# KiCad board Lime_RFE.kicad_pcb (continued)
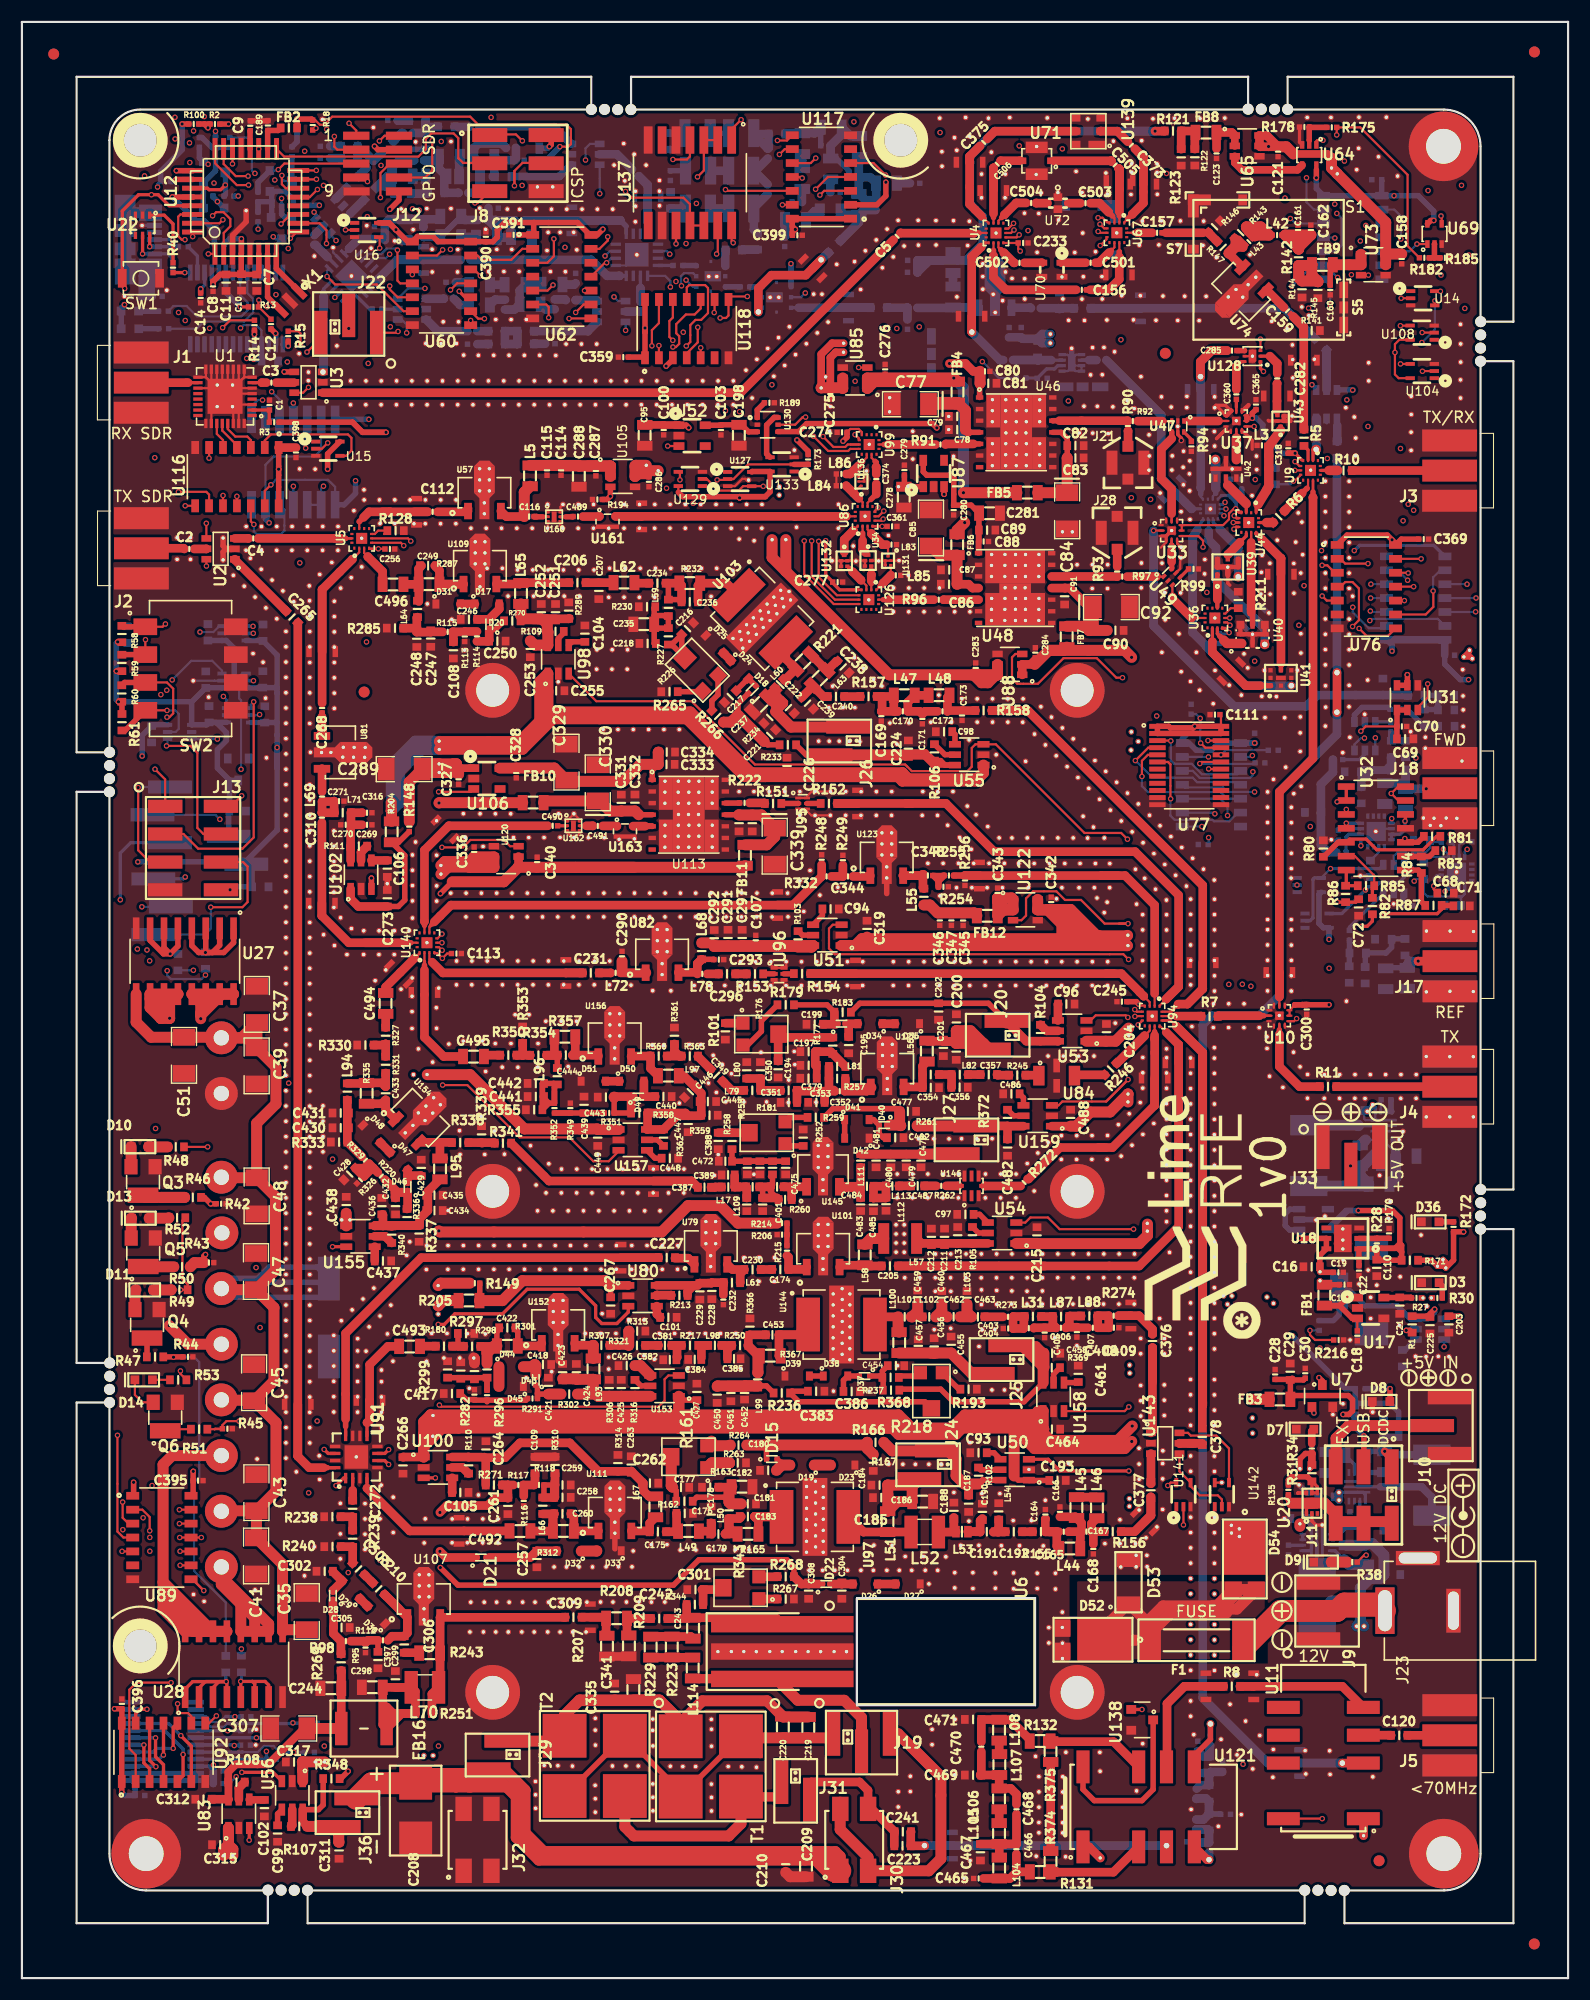
[diagram p0: board, top side]
## Routing (per net, layer and track width the routed paths; a pad name or vN(x,y) marks a point on that pad's centre or on a via; arc(x,y) is an arc through that point) (continued)
/GPIO_Subsystem/GPIO1_LS: length 20
  T w0.2: v1(20.05,107.89) 19.09,106.93 J13.8
  SIG1 w0.2: v1(21.09,123.36) 19.93,123.36 19.43,122.86 19.43,109.52 20.05,108.91 v1(20.05,107.89)
  B w0.2: U24.4 20.47,123.36 v1(21.09,123.36)
/GPIO_Subsystem/GPIO2: length 173.3
  T w0.2: v1(13.98,167.83) 13.97,167.82 ; v1(28.51,168.06) 28.51,167.13 28.78,166.85 J12.3 ; R44.2 13.87,56.69 v1(13.84,56.66) 13.8,56.69 R47.2
  T w0.5: R47.2 R44.2
  SIG1 w0.2: v1(13.98,167.83) 13.98,166.8 12.84,165.66 12.84,155.12 12.53,154.81 12.53,153.72 12.84,153.42 12.84,125.39 12.32,124.87 12.32,117.49 v1(12.68,117.12) 12.68,57.82 v1(13.84,56.66)
  SIG2 w0.2: v1(13.98,167.83) 14.21,168.06 15.56,168.06 16.17,167.45 20.85,167.45 21.23,167.83 28.28,167.83 v1(28.51,168.06) ; v1(12.68,117.12) 13.08,116.72 16.01,116.72 16.59,116.14 17.57,116.14 v1(18.39,116.96)
  B w0.2: v1(13.84,56.66) 15.73,56.66 16.18,56.21 16.18,45.71 15.71,45.24 15.71,37.17 18.6,34.28 R56.2 ; 18.67,116.67 v1(18.39,116.96) 18.67,116.67 ; 18.67,116.67 U25.3
/GPIO_Subsystem/GPIO2_LS: length 22.1
  T w0.2: J13.2 14.74,104.4 16.09,103.06 20.12,103.06 21.15,104.09 v1(21.15,116.47)
  B w0.2: v1(21.15,116.47) 20.87,116.19 U25.4
/GPIO_Subsystem/GPIO3: length 145.8
  T w0.2: 17.6,50.1 17.64,50.13 R45.2 ; 17.6,50.1 17.59,50.09 ; 17.6,50.1 17.59,50.09 ; 17.6,50.1 18.26,50.1 R45.2 ; 17.59,50.09 R51.2 ; R45.2 18.3,50.46 18.66,50.83 v1(19.81,50.83) ; v1(29.82,150.54) 29.82,150.54 J22.2
  SIG1 w0.2: 17.83,112.28 17.83,107.24 17.22,106.63 17.22,105.25 17.83,104.64 17.83,90.54 20.68,87.69 20.68,51.69 v1(19.81,50.83) 20.68,49.96 20.68,30.69 v1(20.03,30.04) ; 17.83,112.28 17.83,141.47 17.14,142.16 17.14,150.54 v1(17.13,150.55) ; 17.83,112.28 v1(17.83,113.07)
  SIG2 w0.2: v1(29.82,150.54) 29.81,150.55 20.93,150.55 20.23,149.85 17.83,149.85 v1(17.13,150.55)
  B w0.2: v1(20.03,30.04) 20.03,30.04 R57.2 ; v1(17.83,113.07) U26.3
/GPIO_Subsystem/GPIO3_CONN: length 33.2
  T w0.2: v1(26.01,148.38) 27.28,149.65 J22.3
  T w0.5: v1(32.17,167.16) 32.48,166.85 J12.4
  SIG1 w0.2: v1(27.81,168.72) 27.81,167.84 26.01,166.04 v1(26.01,148.38)
  SIG2 w0.2: v1(27.81,168.72) 27.97,168.88 29.14,168.88 29.15,168.88 29.85,168.18 32.89,168.18 33.16,167.91 33.16,167.4 32.93,167.16 v1(32.17,167.16)
/GPIO_Subsystem/GPIO3_LS: length 13
  T w0.2: v1(13.2,112.45) 15.37,112.45 16.01,111.81 16.01,104.96 16.56,104.4 J13.7
  B w0.2: v1(13.2,112.45) 13.29,112.54 U26.4
/GPIO_Subsystem/RELAY_0: length 34.4
  T w1: U27.15 U27.14 U27.13 16.32,88.98 16.32,87.88 ; U27.15 U27.16 18.23,89.79 16.32,87.88 ; U27.15 16.32,88.07 16.32,87.88 ; 16.32,87.88 v1(16.32,87.55)
  SIG1 w1: v1(16.32,87.55) 15.99,87.22 15.99,68.68 16.66,68 J16.7
/GPIO_Subsystem/RELAY_1: length 50.1
  T w1: 12.68,87.57 11.7,88.56 U27.10 ; 12.68,87.57 13.46,87.57 v1(13.48,87.59) ; 12.68,87.57 12.68,89.51 U27.11 ; 12.68,87.57 12.68,88.24 U27.12 ; U27.12 13.48,89.04 v1(13.48,87.59) ; U27.12 U27.10 ; v1(13.45,59.55) 15.15,57.84 J16.5 ; U27.10 11.7,89.37 v1(13.48,87.59)
  SIG1 w1: v1(13.48,87.59) 13.45,87.56 v1(13.45,59.55)
/GPIO_Subsystem/RELAY_2: length 48.8
  T w0.5: U28.15 U28.14 ; U28.15 U28.16 ; U28.15 U28.13
  T w1: 12.88,36.14 12.88,46.86 13.71,47.68 J16.3 ; 12.88,36.14 17.38,31.64 U28.13 U28.16 12.88,33.66 12.88,34.39 ; 12.88,36.14 12.88,35.31 ; 12.88,34.39 15.63,31.64 U28.15 ; 12.88,34.39 12.88,35.31 ; 12.88,35.31 16.54,31.64 U28.14
/GPIO_Subsystem/RELAY_3: length 29.5
  T w0.5: 21.25,32.88 18.2,35.93 J16.1 ; U28.12 U28.11
  T w1: 18.2,35.93 21.25,32.88 U28.11 ; 18.2,35.93 J16.1 18.2,36.63 22.52,32.32 U28.10 U28.11 ; 18.2,35.93 19.98,34.15 U28.12 U28.11
/LNA_EN: length 133.2
  T w0.2: R182.1 126.45,158.07 126.45,164.57 122.13,168.89 R175.1 119.98,168.2 v1(119.98,168.2) ; v1(17.01,157.34) 17.02,157.35 U12.1
  SIG1 w0.2: v1(38.27,167.6) 37.53,166.87 37.53,163.99 35.64,162.09 v1(35.64,161.46)
  SIG2 w0.2: v1(38.27,167.6) 39.44,168.78 68.05,168.78 69.02,169.74 74.31,169.74 79.16,164.89 79.55,164.89 80.09,164.35 84.04,164.35 87.59,167.89 98.74,167.89 99.25,168.4 102.32,168.4 103.02,167.7 104.22,167.7 104.72,168.2 v1(119.98,168.2) ; v1(35.64,161.46) 35.61,161.46 34.78,160.62 34.78,159.49 34.34,159.06 31.88,159.06 30.31,157.48 30.31,157.34 27.35,157.34 27.05,157.65 26.1,157.65 25.8,157.34 v1(17.01,157.34)
/MCU/DATA_5V: length 24.4
  T w0.2: v1(27.91,140.1) 27.37,139.56 U15.2 ; v1(27.8,158.29) 27.8,159.5 27.16,160.13 U12.10
  SIG1 w0.2: v1(27.91,140.1) 28.26,140.45 28.26,151.94 27.83,152.37 27.83,154.19 28.42,154.79 28.42,155.68 27.8,156.3 v1(27.8,158.29)
/MCU/DATA_CLK_5V: length 7.1
  T w0.2: v1(29.53,159.53) 29.54,159.52 U16.2 ; v1(24.5,158.77) 25.08,159.34 U12.9
  SIG2 w0.2: v1(24.5,158.77) 25.27,159.53 v1(29.53,159.53)
/MCU/DATA_RESET_5V: length 125.4
  T w0.2: v1(26.84,168.81) 26.68,168.65 R18.1 ; v1(23.65,160.08) 24.52,160.94 U12.11 ; U14.2 v1(125.86,153.29)
  SIG1 w0.2: v1(23.18,153.62) 23.65,154.09 v1(23.65,160.08) 24.42,160.84 24.42,166.39 v1(26.84,168.81)
  SIG2 w0.2: v1(125.86,153.29) 112.64,153.29 110.93,151.58 109.11,151.58 108.03,152.67 107.98,152.62 91.02,152.62 89.42,154.22 88.53,154.22 87.24,152.92 84.39,152.92 84.22,153.1 69.59,153.1 69.38,152.88 23.92,152.88 v1(23.18,153.62)
/MCU/GPIO4_MCU: length 6.4
  T w0.2: v1(23.72,164.5) 23.72,163.7 24.09,163.33 U12.14
  B w0.2: 24.23,164 Q8.D 23.94,164 23.72,164.22 v1(23.72,164.5)
  B w0.5: R186.1 24.63,166.2 Q8.D
/MCU/GPIO5_MCU: length 26.9
  T w0.2: v1(26.97,163.22) 26.27,162.52 U12.13 ; v1(22.93,158.91) 22.93,158.91
  T w0.5: R2.1 17.16,169.19 16.65,169.19 ; 16.65,169.19 v1(16.98,168.85) ; 16.65,169.19 R100.2
  SIG1 w0.2: v1(17.53,163.8) 17.53,167.82 v1(16.98,168.85) ; v1(23.08,164.09) 22.93,163.95 v1(22.93,158.91)
  SIG2 w0.2: 23.94,163.22 21.97,165.19 20.59,165.19 19.49,164.09 17.82,164.09 v1(17.53,163.8) ; 23.94,163.22 v1(23.08,164.09) ; 23.94,163.22 v1(26.97,163.22)
  B w0.2: v1(22.93,158.91) 23.16,158.68 Q7.D
/MCU/MISO: length 30.7
  T w0.2: v1(26.87,164.96) 26.86,164.96 U12.16 ; v1(45.67,167.66) 45.08,168.24 41.78,168.24
  SIG1 w0.2: v1(45.67,167.66) 45.65,167.64 v1(45.65,163.59)
  SIG2 w0.2: v1(45.65,163.59) 45.65,164.29 45.38,164.55 41.09,164.55 40.47,163.93 32.25,163.93 31.63,164.55 31.26,164.55 30.63,163.92 28.32,163.92 27.69,164.55 27.28,164.55 v1(26.87,164.96)
/MCU/MOSI: length 26.3
  T w0.2: v1(26.88,164.15) 26.87,164.15 U12.15 ; 44.95,164.91 v1(44.95,163.56) 44.95,164.91 ; 44.95,164.91 45.68,165.64 47.69,165.64
  SIG2 w0.2: v1(44.95,163.56) 44.36,164.15 41.3,164.15 40.61,163.46 37.74,163.46 37.73,163.47 28.3,163.47 27.62,164.15 v1(26.88,164.15)
/MCU/RESET: length 63.4
  T w0.2: v1(21.62,153.13) 21.58,153.09 R13.2 21.61,152.5 C12.1 ; v1(9.38,154.18) 9.16,154.4 SW1.2 ; 42.69,163.1 41.58,161.99 v1(41.34,161.99)
  T w0.3: U12.29 13.44,161.74 12.43,162.74 v1(11.82,162.74) 10.65,162.74 9.16,161.26 SW1.2
  SIG2 w0.2: v1(11.82,162.74) 12.8,162.74 13.28,163.22 14.77,163.22 15.25,162.73 18.48,162.73 19.38,161.83 25.9,161.83 26.34,162.27 27.33,162.27 27.61,161.99 v1(41.34,161.99) ; v1(9.38,154.18) 9.38,155.01 9.3,155.09 18.17,155.09 20.13,153.13 v1(21.62,153.13)
/MCU/RX: length 1
  T w0.5: v1(24.3,148.93) R15.1
  B w0.5: v1(24.3,148.93) 24.15,149.09 U13.1
/MCU/RX_SW_0_MCU: length 136
  T w0.2: v1(127.81,146.63) 127.83,146.65 U104.2 ; v1(20.68,163.62) 19.61,163.62 17.62,165.61 U12.24 ; v1(20.51,147.8) 20.51,147.81 20.5,147.81
  SIG1 w0.2: v1(20.51,147.8) 20.51,152.88 19.57,153.82 19.57,157.33 20.68,158.45 20.68,160.6 21.37,161.29 21.37,161.9 20.68,162.59 v1(20.68,163.62)
  SIG2 w0.2: 90.37,147.3 113.77,147.3 114.44,146.63 v1(127.81,146.63) ; 90.37,147.3 89.07,147.3 89.03,147.27 ; 90.37,147.3 89.95,147.3 89.41,146.77 78,146.77 77.31,147.45 75.6,147.45 75.53,147.38 70.35,147.38 69.95,147.77 69.54,147.77 68.87,147.11 66.78,147.11 66.17,147.72 59.25,147.72 58.72,148.24 58.72,149.37 58.31,149.78 36.11,149.78 35.99,149.67 23.87,149.67 23.2,149 21.7,149 v1(20.51,147.8)
/MCU/RX_SW_1_MCU: length 127.8
  T w0.2: v1(127.78,150.16) 127.8,150.15 U108.2 ; v1(20.64,164.44) 19.51,164.44 18.41,165.55 U12.23
  SIG1 w0.2: 21.21,163.87 v1(20.64,164.44) ; 21.21,163.87 21.21,162.72 21.78,162.15 21.78,161.19 21.21,160.62 21.21,159.97 21.04,159.8 21.04,152.92 21.44,152.52 v1(22.39,152.52) ; 21.21,163.87 21.21,163.07 21.18,163.04 ; 21.18,163.04 21.18,163.02 21.18,163.04
  SIG2 w0.2: v1(127.78,150.16) 127.29,149.67 114.63,149.67 113.31,151 108.73,151 107.55,152.18 89.61,152.18 89.23,152.57 83.94,152.57 83.77,152.74 69.74,152.74 69.53,152.53 68.58,152.53 67.39,151.34 66.14,151.34 64.97,152.52 v1(22.39,152.52)
/MCU/SCK: length 27.2
  T w0.2: U12.17 23.93,166.22 36.18,166.22 36.86,166.9 36.86,167.84 37.36,168.34 39.39,168.34 39.82,167.91 39.82,166.08 40.26,165.64 44.14,165.64 ; 41.78,165.7 44.21,165.7
/MCU/SCL_MCU: length 9.5
  T w0.5: v1(13.73,162.53) 15.61,162.53 U12.28
  B w0.2: Q1.D 17.5,158.3 R19.1
  B w0.5: R19.1 17.56,159.47 Q1.D 16.65,160.38 15.86,160.38 15.86,160.4 v1(13.73,162.53)
/MCU/SDA_MCU: length 5.4
  T w0.3: v1(18.56,163.63) 18.14,163.2 17.08,163.2 16.94,163.34 U12.27
  B w0.3: v1(18.56,163.63) 18.57,163.63 ; v1(18.56,163.63) 18.57,163.63 ; v1(18.56,163.63) 18.57,163.63
  B w0.5: Q2.D 18.57,162.74 R20.1
/MCU/TX: length 1.3
  T w0.5: v1(21.22,149.99) R14.1
  B w0.5: v1(21.22,149.99) 21.22,149.99 U13.5
/PA_ENn: length 148.6
  T w0.2: v1(15.58,158.92) 15.61,158.95 U12.32
  SIG1 w0.2: 16.29,66.59 15.52,67.37 ; 16.29,66.59 14.95,67.93 14.95,99.19 15.89,100.13 15.89,101.24 15.58,101.55 15.58,117.29 16.5,118.21 16.5,120.02 15.58,120.93 15.58,127.35 16.33,128.1 16.33,134.06 15.58,134.82 15.58,158.91 v1(15.58,158.92) ; 16.29,66.59 16.29,45.82 15.76,45.28 15.76,37.04 19.19,33.61 19.19,26.07 18.81,25.69 18.81,23.57 19.39,22.99 19.39,22.11 18.73,21.46 18.73,21.07 19.55,20.25 v1(19.55,18.38)
  B w0.2: v1(19.55,18.38) 18.92,17.75 R168.1
/PFWDF_DB: length 135.4
  T w0.3: v1(124.36,97.13) 129.15,97.13 129.56,97.54 R87.1
  T w0.5: R87.1 130.6,97.88 C71.1
  SIG2 w0.3: v1(8.98,98.4) 8.99,98.38 28.94,98.38 30.05,97.27 38.81,97.27 39.5,97.96 70.56,97.96 72.85,100.24 76.49,100.24 77.52,99.21 80.55,99.21 81.76,100.43 100.63,100.43 103.33,97.73 109.44,97.73 110.04,97.13 v1(124.36,97.13)
  B w0.3: v1(8.98,98.4) 8.98,102.67 9.93,103.61 J6.1
/PowerSupply/+12EXT: length 40.5
  T w1: 108.61,33.96 109.71,33.96 110.53,34.79 D54.2 ; 108.61,33.96 104.13,33.96 102.94,32.77 F1.1 ; 108.61,33.96 109.03,33.96 D54.2 ; F1.1 98.83,30.83 D52.1 98.78,31.99 D53.1 102.94,32.23 F1.1 ; F1.1 102.94,31.42 104.85,33.33 109.92,33.33 109.92,33.67 110.87,33.67 D54.2 D54.2
/RX_H/BPF920/IN: length 10.2
  T w0.2: 100.9,160.52 100.6,160.22
  T w0.5: 101.32,160.96 101.32,160.95 100.9,160.52
  T w0.79: 101.32,160.95 101.32,160.96 102.35,161.98 102.35,166.16 ; 102.35,166.16 C373.2 ; 102.35,166.16 102.34,166.15 P106.2
/RX_H/BPF1300/IN: length 5.6
  T w0.2: 99.21,157.46 99.7,157.94 99.7,158.32
  T w0.5: 99.21,157.46 99.21,157.46 98.29,156.54 99.4,157.65 99.4,157.65
  T w0.79: 99.21,157.46 98.29,156.54 C501.2
/RX_H/BPF2400/IN: length 10.5
  T w0.1: 100.09,165.14 100.09,165.15 100.15,165.08
  T w0.2: 100.15,160.22 100.15,160.81
  T w0.5: 100.15,161.63 100.15,160.81
  T w0.79: 100.09,165.15 100.15,165.08 100.15,163.27 100.15,163.26 100.15,161.23 100.15,165.07 C505.2 100.16,165.07 P104.2
/RX_H/BPF3500/IN: length 4.1
  T w0.2: 99.52,160.8 99.7,160.62 99.7,160.22
  T w0.5: 98.83,161.48 99.52,160.8
  T w0.79: 98.83,161.48 99.17,161.15 98.35,161.97 C503.2
/RX_H/FSEL_OUT_V1_2V5: length 23.3
  T w0.2: v1(98.41,158.1) 98.97,158.67 98.97,158.87
  SIG2 w0.2: v1(115.76,160.57) 115.39,160.94 100.73,160.94 99.28,159.49 99.28,159.44 99.33,159.49 99.33,159.03 v1(98.41,158.1)
  B w0.2: v1(115.76,160.57) 116.22,160.11 U68.12
/RX_H/FSEL_OUT_V2_2V5: length 30
  T w0.2: v1(98.21,159.39) 98.33,159.27 98.97,159.27 ; v1(119.8,161.88) 119.81,161.89 119.81,161.9
  SIG1 w0.2: 119.8,158.8 v1(119.81,158.79) 119.81,159.48 119.23,160.07 119.23,161.31 v1(119.8,161.88)
  SIG2 w0.2: v1(119.8,161.88) 119.8,161.89 98.54,161.89 97.64,160.99 97.64,159.82 98.07,159.39 v1(98.21,159.39) ; 119.8,158.8 v1(119.81,158.79)
  B w0.2: v1(119.81,158.79) 119.76,158.84 U68.11
/RX_H/FSEL_OUT_V3_2V5: length 28.5
  T w0.2: v1(98.38,160.06) 98.76,159.67 98.97,159.67
  SIG2 w0.2: 117.13,161.04 116.92,161.04 116.4,161.55 99.98,161.55 98.48,160.06 v1(98.38,160.06) ; 117.13,161.04 117.47,161.04 ; 117.13,161.04 v1(119.99,161.04)
  B w0.2: v1(119.99,161.04) 120.42,160.6 120.42,158.1 119.89,157.57 U68.10
/RX_H/LNA_EN_2V5: length 4.4
  T w0.2: v1(127.3,158.24) 127.31,158.24 U69.1
  B w0.2: v1(127.3,158.24) 126.63,157.57 U68.5
/RX_H/LNA_H/LNA_EN: length 13.4
  T w0.2: v1(122.87,155.4) 122.87,155.4 U73.3 ; v1(129.5,160.8) 129.56,160.74 U69.4
  SIG1 w0.2: v1(129.5,155.41) v1(129.5,160.8)
  SIG2 w0.2: v1(129.5,155.41) 129.5,155.4 v1(122.87,155.4)
/RX_H/LNA_H/RF_OUT: length 5.4
  T w0.5: R146.2 108.29,159.27 107.78,159.27 ; C157.2 104.4,159.27
  T w0.79: R147.1 108.31,159.24 R146.2 108.29,159.27 ; 104.4,159.27 107.78,159.27
/RX_H/RF_0_OUT: length 8.7
  T w0.2: 87.81,160.55 U4.11
  T w0.5: 87.81,160.55 87.58,160.78
  T w0.79: 86.48,166.23 C375.1 ; 86.48,166.23 86.48,165.7 P99.2 ; 86.48,166.23 86.48,161.88 87.58,160.78
/RX_H/RF_1_OUT: length 7.6
  T w0.1: 88.67,165.18 88.68,165.18 ; 88.66,161.23 88.66,161.56
  T w0.2: U4.10 88.66,160.66
  T w0.5: 88.66,161.23 88.66,160.66
  T w0.79: 88.68,165.18 88.67,165.18 88.67,163.2 ; C506.1 88.66,165.19 88.66,161.02
/RX_H/RF_2_OUT: length 3.4
  T w0.2: 89.4,160.66 89.11,160.37 U4.9
  T w0.5: 89.4,160.66 89.67,160.92
  T w0.79: 89.67,160.92 89.67,160.92 90.74,161.99 C504.1
/RX_H/RF_3_OUT: length 5.6
  T w0.2: C502.1 90.51,156.53 89.11,157.93 U4.3
  T w0.5: 89.33,157.72 89.33,157.73 90.52,156.53 C502.1
  T w0.79: 89.61,157.44 89.61,157.44 90.53,156.53 C502.1
/RX_H/RF_4_OUT: length 11.2
  T w0.2: 88.66,157.16 88.66,157.16 ; U4.2 88.66,157.67
  T w0.5: 88.66,157.67 88.66,157.16
  T w0.79: 88.66,157.16 88.66,157.16 88.66,155.2 89.79,154.07 96.2,154.07
/RX_H/RF_IN: length 16.8
  T w0.5: R141.1 116.95,150.68 C159.2
  T w0.79: R5.2 116.98,141.34 116.98,145.58 ; 116.98,145.58 116.98,147.57 ; 116.98,145.58 116.98,149.87 ; 116.98,149.87 116.98,150.32 R141.1 116.95,150.68 116.02,151.61 116.98,150.66 116.98,149.87
/RX_L/BPF30/IN: length 5.7
  B w0.7: U134.1 49.05,164.41 44.87,164.41
/RX_L/BPF30/OUT: length 3.2
  B w0.5: 29.98,161.04 31.1,162.16
  B w0.79: 31.1,162.16 29.98,161.04 U38.3
/RX_L/BPF60/IN: length 11.3
  B w0.7: 48.56,168.94 U134.3 48.56,168.94 ; 48.56,168.94 C146.2
/RX_L/BPF60/OUT: length 1.4
  B w0.79: U38.1 28.65,162.39 L30.1
/RX_L/BPF145/IN: length 2.2
  B w0.79: U135.3 52.4,153.13 C497.1 50.7,153.13
/RX_L/BPF145/OUT: length 1.6
  B w0.79: C498.2 38.49,153.25 U93.1
/RX_L/BPF220/IN: length 4.2
  B w0.79: U135.1 51.64,150.29 C145.1
/RX_L/BPF220/OUT: length 4.2
  B w0.79: U93.3 37.96,150.29 C372.1
/RX_L/BPF440/IN: length 14.6
  B w0.3: 55.14,159.87 U59.9
  B w0.5: 54.6,160.41 55.14,159.87
  B w0.79: C499.1 54.6,160.41 54.6,160.4 P88.2
/RX_L/BPF440/OUT: length 3.3
  B w0.3: 29.86,157.82 U58.4
  B w0.79: 29.86,157.82 29.86,157.83 30.72,158.69 C500.2
/RX_L/FSEL_IN_V1_2V5: length 9.9
  T w0.2: v1(27.85,155.28) 28.57,154.55 32.39,154.55 34.83,152.11 U60.6
  B w0.2: U58.1 27.85,155.8 v1(27.85,155.28)
/RX_L/FSEL_IN_V2_2V5: length 7.7
  T w0.2: v1(34.27,157.69) 34.27,154.91 34.52,154.65 U60.4
  B w0.2: v1(34.27,157.69) 34.12,157.83 33.3,157.83 32.79,157.33 31.63,157.33 U58.6
/RX_L/FSEL_IN_V3_2V5: length 7.8
  T w0.2: U60.5 34.28,153.38 33.56,154.11 v1(33.56,154.41)
  SIG1 w0.2: v1(33.56,154.41) 33.56,154.42 v1(33.56,157.31)
  B w0.2: v1(33.56,157.31) 33.2,156.96 32.18,156.96 U58.7
/RX_L/FSEL_IN_V4_2V5: length 9.5
  T w0.2: v1(35.63,155.45) 35.63,155.46 U60.3
  SIG2 w0.2: v1(28.56,153.37) 33.83,153.37 34.26,153.8 34.26,154.79 34.92,155.45 v1(35.63,155.45)
  B w0.2: v1(28.56,153.37) 28.59,153.37 U58.14
/RX_L/FSEL_OUT_V1_2V5: length 16.8
  T w0.2: v1(48.47,154.5) 47.96,153.99 U62.5
  SIG2 w0.2: 53.95,153.91 52.13,153.91 51.54,154.5 v1(48.47,154.5) ; 53.95,153.91 54.19,153.91 ; 53.95,153.91 58.77,153.91 ; 58.77,153.91 v1(59.17,154.32) 58.77,153.91
  B w0.2: v1(59.17,154.32) 59.17,154.86 58.7,155.34 U59.1
/RX_L/FSEL_OUT_V2_2V5: length 3
  T w0.2: U62.11 53.2,156.54 v1(53.36,156.54)
  B w0.2: v1(53.36,156.54) 53.76,156.94 U59.6
/RX_L/FSEL_OUT_V3_2V5: length 6.3
  T w0.2: v1(51.34,153.99) 51.34,153.99 U62.10
  SIG1 w0.2: v1(51.34,153.99) 51.34,156.38 52.11,157.15 v1(53.22,157.15)
  B w0.2: v1(53.22,157.15) 53.65,157.59 U59.7
/RX_L/FSEL_OUT_V4_2V5: length 21.2
  T w0.2: v1(48.07,151.52) 48.07,152.5 47.85,152.72 U62.6
  SIG1 w0.2: v1(49.56,157.94) 47.65,156.04 47.65,153.91 48.07,153.5 v1(48.07,151.52)
  SIG2 w0.2: v1(49.56,157.94) 49.95,158.33 51.6,158.33 52.02,157.92 58.52,157.92 v1(59.12,157.32)
  B w0.2: v1(59.12,157.32) 58.85,157.59 U59.14
/RX_L/LNA_EN_2V5: length 105.5
  T w0.2: U64.1 118.13,167.64 118.2,167.71 v1(118.73,167.71)
  T w0.3: v1(39.91,153.93) 40.45,153.38 U60.10
  SIG1 w0.2: v1(118.73,167.71) 122.14,167.71 122.7,167.15 122.7,161.94 121.32,160.56 v1(121.32,155.44)
  SIG2 w0.2: 75.99,153.45 75.15,154.29 62.29,154.29 61.16,155.43 59.61,155.43 58.47,154.29 52.33,154.29 51.4,155.22 48.51,155.22 47.58,154.29 40.27,154.29 v1(39.91,153.93)
  SIG2 w0.3: 75.15,154.29 75.99,153.45 83.6,153.45 84.39,154.25 85.52,154.25 85.99,154.71 89.98,154.71 90.45,154.24 109.52,154.24 111.62,156.34 120.43,156.34 v1(121.32,155.44)
/RX_L/LNA_L/LNA_EN: length 7.2
  T w0.7: U65.3 110.68,165.66 111.33,165.01 116.4,165.01 U64.4
/RX_L/LNA_L/RF_OUT: length 15.8
  B w0.3: 73.48,152.43 U63.6
  B w0.79: R125.1 75.44,152.43 P95.2 ; R125.1 70.9,152.43 ; R125.1 73.48,152.43
/RX_L/Notch/IN: length 11.5
  T w0.79: TRANS_VIA#10.1 67.21,154.21 68.4,155.4 71.52,155.4 TRANS_VIA#9.1 72.15,156.03 P94.2
  B w0.3: U63.1 67.54,152.38 TRANS_VIA#10.1
  B w0.79: R126.2 73.59,157.47 TRANS_VIA#9.1
/RX_L/Notch/OUT: length 1.5
  B w0.79: U61.1 64.19,157.66 R127.1
/RX_L/NOTCH_2V5: length 43.6
  T w0.2: v1(48.54,158.72) 48.54,157.13 47.95,156.53 U62.3
  SIG1 w0.2: v1(60.19,154.43) 60.43,154.19 61.14,154.19 61.55,154.6 v1(61.55,161.95)
  SIG2 w0.2: v1(60.19,154.43) 60.65,153.97 71.29,153.97 v1(71.49,153.78) ; v1(61.55,161.95) 61.55,161.44 60.96,160.85 55,160.85 54.28,160.12 48.84,160.12 48.56,159.83 48.56,158.73 v1(48.54,158.72)
  B w0.2: v1(71.49,153.78) 71.1,153.38 U63.5 ; v1(60.19,154.43) 60.14,154.48 60.14,155.31 60.43,155.59 61.25,155.59 U61.5
/RX_L/RF_L_IN: length 26.2
  B w0.79: C294.1 115.22,152.38 R119.2 P96.2
/RX_L/RF_L_OUT: length 4.3
  B w0.3: C117.1 27.53,154.14 U58.16
  B w0.5: 27.53,153.43 27.53,153.43 27.53,153.9
  B w0.79: 27.53,153.43 27.53,153.43 27.53,152.22 C117.1
/RX_L/SW1_2V5: length 41.5
  T w0.2: v1(65.63,169.59) 64.77,168.72 U137.1 ; v1(41.84,155.35) 41.26,155.92 U60.12
  SIG1 w0.2: v1(42.82,169.8) 42.82,161.27 41.84,160.29 v1(41.84,155.35)
  SIG2 w0.2: v1(65.63,169.59) 65.42,169.8 57.45,169.8 56.97,169.32 51.1,169.32 50.62,169.8 v1(42.82,169.8)
/RX_L/SW1_A: length 45.7
  T w0.2: v1(59.41,165.96) 60.69,165.96 60.96,166.23 U137.4
  SIG1 w0.2: v1(32.77,165.41) 28.48,165.41 27.99,165.9 26.92,165.9 26.35,165.33 26.35,161.47 v1(26.66,161.15)
  SIG2 w0.2: v1(59.41,165.96) 59.11,165.96 57.67,164.52 53.59,164.52 52.2,165.91 v1(51.43,165.91) 47.27,165.91 47.14,165.78 40.43,165.78 39.84,165.18 38.53,165.18 38.46,165.25 33.48,165.25 33.32,165.41 v1(32.77,165.41)
  B w0.2: U134.4 51.84,167.38 51.43,166.97 v1(51.43,165.91) ; v1(26.66,161.15) 26.79,161.02 U38.6
/RX_L/SW1_B: length 51.2
  T w0.2: v1(61.65,164.37) 62.23,164.95 U137.3 U137.2
  SIG1 w0.2: v1(27.52,163.59) 28.66,162.45 v1(28.66,158.56)
  SIG2 w0.2: 29.51,163.1 33.74,163.1 33.94,162.91 52.66,162.91 v1(52.73,162.84) 53.38,162.19 59.47,162.19 v1(61.65,164.37) ; 29.51,163.1 28.03,163.1 27.89,163.24 ; 29.51,163.1 28.01,163.1 v1(27.52,163.59)
  B w0.2: v1(28.66,158.56) 28.14,159.09 U38.4 ; v1(52.73,162.84) 52.73,162.84 U134.6
/RX_L/SW2_2V5: length 33.7
  T w0.2: v1(63.4,157.33) 63.5,157.44 U137.13 ; v1(39.11,154.06) 39.71,154.65 U60.11
  SIG1 w0.2: v1(39.11,157.75) 39.11,157.75 v1(39.11,154.06)
  SIG2 w0.2: v1(39.11,157.75) 39.59,158.23 48.96,158.23 49.5,158.77 51.93,158.77 52.3,158.4 58.8,158.4 59.87,157.33 v1(63.4,157.33)
/RX_L/SW2_A: length 35
  T w0.2: v1(59.69,158.26) 59.69,158.26 U137.10
  SIG1 w0.2: v1(59.69,154.82) 59.69,154.83 v1(59.69,158.26)
  SIG2 w0.2: v1(36.78,154.19) 37.5,153.47 48.7,153.47 48.98,153.18 52.47,153.18 52.71,153.42 v1(54.03,153.42) 59.48,153.42 59.69,153.63 v1(59.69,154.82) ; v1(59.69,154.82) 59.69,154.31 v1(59.69,154.82)
  B w0.2: U93.6 35.23,154.19 v1(36.78,154.19) ; v1(54.03,153.42) 54.42,153.03 U135.4
/RX_L/SW2_B: length 44.9
  T w0.2: v1(55.08,163.04) 55.65,162.47 60.36,162.47 60.96,161.87 U137.11 U137.12
  SIG1 w0.2: v1(55.09,150.36) 55.09,163.03 v1(55.08,163.04)
  SIG2 w0.2: v1(35.11,150.13) 35.34,150.36 v1(55.09,150.36)
  B w0.2: v1(55.09,150.36) 55.09,150.36 U135.6 ; v1(35.11,150.13) 35.11,150.89 34.65,151.35 U93.4
/SCL: length 21.2
  T w0.2: v1(31.53,163.94) 31.16,164.31 J12.7
  SIG1 w0.2: v1(31.52,160.74) 31.54,160.76 v1(31.53,163.94)
  SIG2 w0.2: v1(17.84,162.11) 19.22,160.74 25.82,160.74 26.27,160.3 28.2,160.3 28.64,160.74 v1(31.52,160.74)
  B w0.2: v1(17.84,162.11) 17.44,162.51 R21.1
  B w0.5: R21.1 17.44,162.54 Q1.S
/SDA: length 36.2
  T w0.2: 37.42,167.66 37.47,167.71 37.48,167.71 v1(37.45,167.68) 37.45,164.96 36.8,164.31 J12.8
  SIG1 w0.2: v1(16.64,169.88) 16.32,169.56 16.32,168.67 17,168 v1(17,165.52)
  SIG2 w0.2: v1(37.45,167.68) 37.45,169.06 36.77,169.74 29.21,169.74 28.88,170.07 26.35,170.07 25.4,169.12 24.87,169.12 24.12,169.88 v1(16.64,169.88)
  B w0.2: v1(17,165.52) 16.78,165.73 Q2.S
  B w0.5: R22.1 16.19,166.11 Q2.S
/SW1_A: length 12.8
  T w0.2: v1(26.15,145.16) 25.66,144.67 U3.6
  SIG1 w0.2: v1(26.15,145.16) 26.15,141.62 24.77,140.24 v1(24.77,136.13)
  B w0.2: v1(24.77,136.13) 24.77,136.13 U115.4
/SW1_B: length 18.2
  T w0.5: v1(23.94,146.58) 23.95,146.57 U3.4
  SIG1 w0.2: v1(23.94,146.58) 25.11,146.58 25.74,147.22 26.38,147.22 26.81,146.79 26.81,146.08 27.37,145.52 27.37,136.3 v1(27.52,136.14)
  B w0.2: v1(27.52,136.14) 27.31,135.93 U115.2 U115.3
/SW2_V1: length 22.6
  T w0.2: v1(90.49,160.13) 90.02,159.65 U4.7 ; 72.81,162.71 v1(72.82,162.71) 73.21,163.09 U117.3
  SIG2 w0.2: v1(72.82,162.71) 74.29,161.24 87.35,161.24 88.47,160.13 v1(90.49,160.13)
/SW2_V2: length 25.1
  T w0.2: v1(90.53,159.52) 90.26,159.25 U4.6 ; v1(72.43,163.24) 73.55,164.36 U117.4
  SIG2 w0.2: v1(72.43,163.24) 72.15,162.96 72.15,162.35 73.6,160.9 87.04,160.9 88.17,159.77 89.67,159.77 89.92,159.52 v1(90.53,159.52)
/SW2_V3: length 26.9
  T w0.2: v1(91.01,159.08) 90.77,158.85 U4.5 ; v1(78.81,164.53) 77.71,165.63 U117.5
  SIG1 w0.2: v1(91.01,167.2) 91.01,167.2 v1(91.01,159.08)
  SIG2 w0.2: v1(91.01,167.2) 87.84,167.2 84.52,163.89 79.8,163.89 79.15,164.53 v1(78.81,164.53)
/SW3_A: length 22.6
  T w0.2: v1(16.84,128.86) 16.83,128.87 U2.6
  SIG1 w0.2: v1(25.36,129.15) 25.36,133.37 25.9,133.91 v1(25.9,139.61)
  SIG2 w0.2: v1(16.84,128.86) 21.13,128.86 21.41,129.15 v1(25.36,129.15)
  B w0.2: U115.12 25.9,142.1 v1(25.9,139.61)
/SW3_B: length 21.3
  T w0.2: U2.4 16.83,132.75 v1(16.83,132.76)
  SIG2 w0.2: v1(16.83,132.76) 17.2,133.13 22.23,133.13 v1(22.56,132.8)
  B w0.2: U115.13 27.31,139.47 26.68,138.85 22.98,138.85 22.23,138.1 U115.6
  B w0.5: v1(22.56,132.8) 22.23,133.13 U115.6
/SW4_V2: length 23.5
  T w0.2: v1(35.49,131.13) 35.23,131.38 31.96,131.38 ; v1(19.62,135.22) 19.62,135.22 U116.11
  SIG2 w0.2: v1(19.62,135.22) 19.62,134.36 20.19,133.79 29.66,133.79 30.17,133.27 30.72,133.27 31.15,133.7 33.99,133.7 35.49,132.21 v1(35.49,131.13)
/SW4_V3: length 24.5
  T w0.2: v1(34.84,130.72) 34.58,130.98 31.96,130.98 ; v1(18.35,135.3) 18.35,135.29 U116.10
  SIG2 w0.2: v1(18.35,135.3) 18.35,133.84 18.73,133.47 29.24,133.47 29.88,132.83 30.98,132.83 31.51,133.36 33.02,133.36 33.39,132.99 33.39,131.41 34.08,130.72 v1(34.84,130.72)
/SW5_A: length 108.3
  SIG2 w0.2: v1(21.96,144) 22.24,144.28 27.2,144.28 27.41,144.49 65.58,144.49 66.43,143.64 73.29,143.64 74.42,144.77 85.97,144.77 86.67,145.48 94.84,145.48 95.41,144.91 v1(121.44,144.91)
  B w0.2: 21.52,144 20.96,143.45 ; 21.52,144 20.96,143.45 ; 21.52,144 v1(21.96,144) ; 20.96,143.45 U115.8 20.96,143.45 ; v1(121.44,144.91) 121.44,144.92 U8.6
  B w0.5: 121.48,144.92 121.47,144.93 120.04,144.93
/SW5_B: length 102.1
  SIG2 w0.2: v1(22.79,144.77) 22.88,144.68 26.6,144.68 26.77,144.86 67.27,144.86 68.09,144.04 73.1,144.04 74.18,145.11 85.59,145.11 86.38,145.9 95.31,145.9 95.8,145.4 v1(117.72,145.4)
  B w0.2: v1(117.72,145.4) 118.1,145.02 U8.4 ; v1(22.79,144.77) 23.5,144.06 U115.10 U115.9 22.23,143.3
/SW6_V2: length 20.9
  T w0.2: 116.64,137.59 v1(116.16,137.59) ; v1(125.8,147.3) 125.81,147.3 U104.4
  SIG1 w0.2: v1(125.8,147.3) v1(125.8,139.58)
  SIG2 w0.2: v1(125.8,139.58) 125.8,138.14 125.19,137.53 118.71,137.53 118.09,138.15 117.18,138.15 116.61,137.59 v1(116.16,137.59)
/SW6_V3: length 25.3
  T w0.2: v1(116.17,138.39) 116.57,137.99 116.64,137.99 ; v1(125.79,150.79) 126.67,150.79 U108.4
  SIG1 w0.2: v1(117.42,152.39) 116.83,151.8 116.83,138.67 116.54,138.39 v1(116.17,138.39)